# KiCad board EBAZ4205.kicad_pcb (continued)
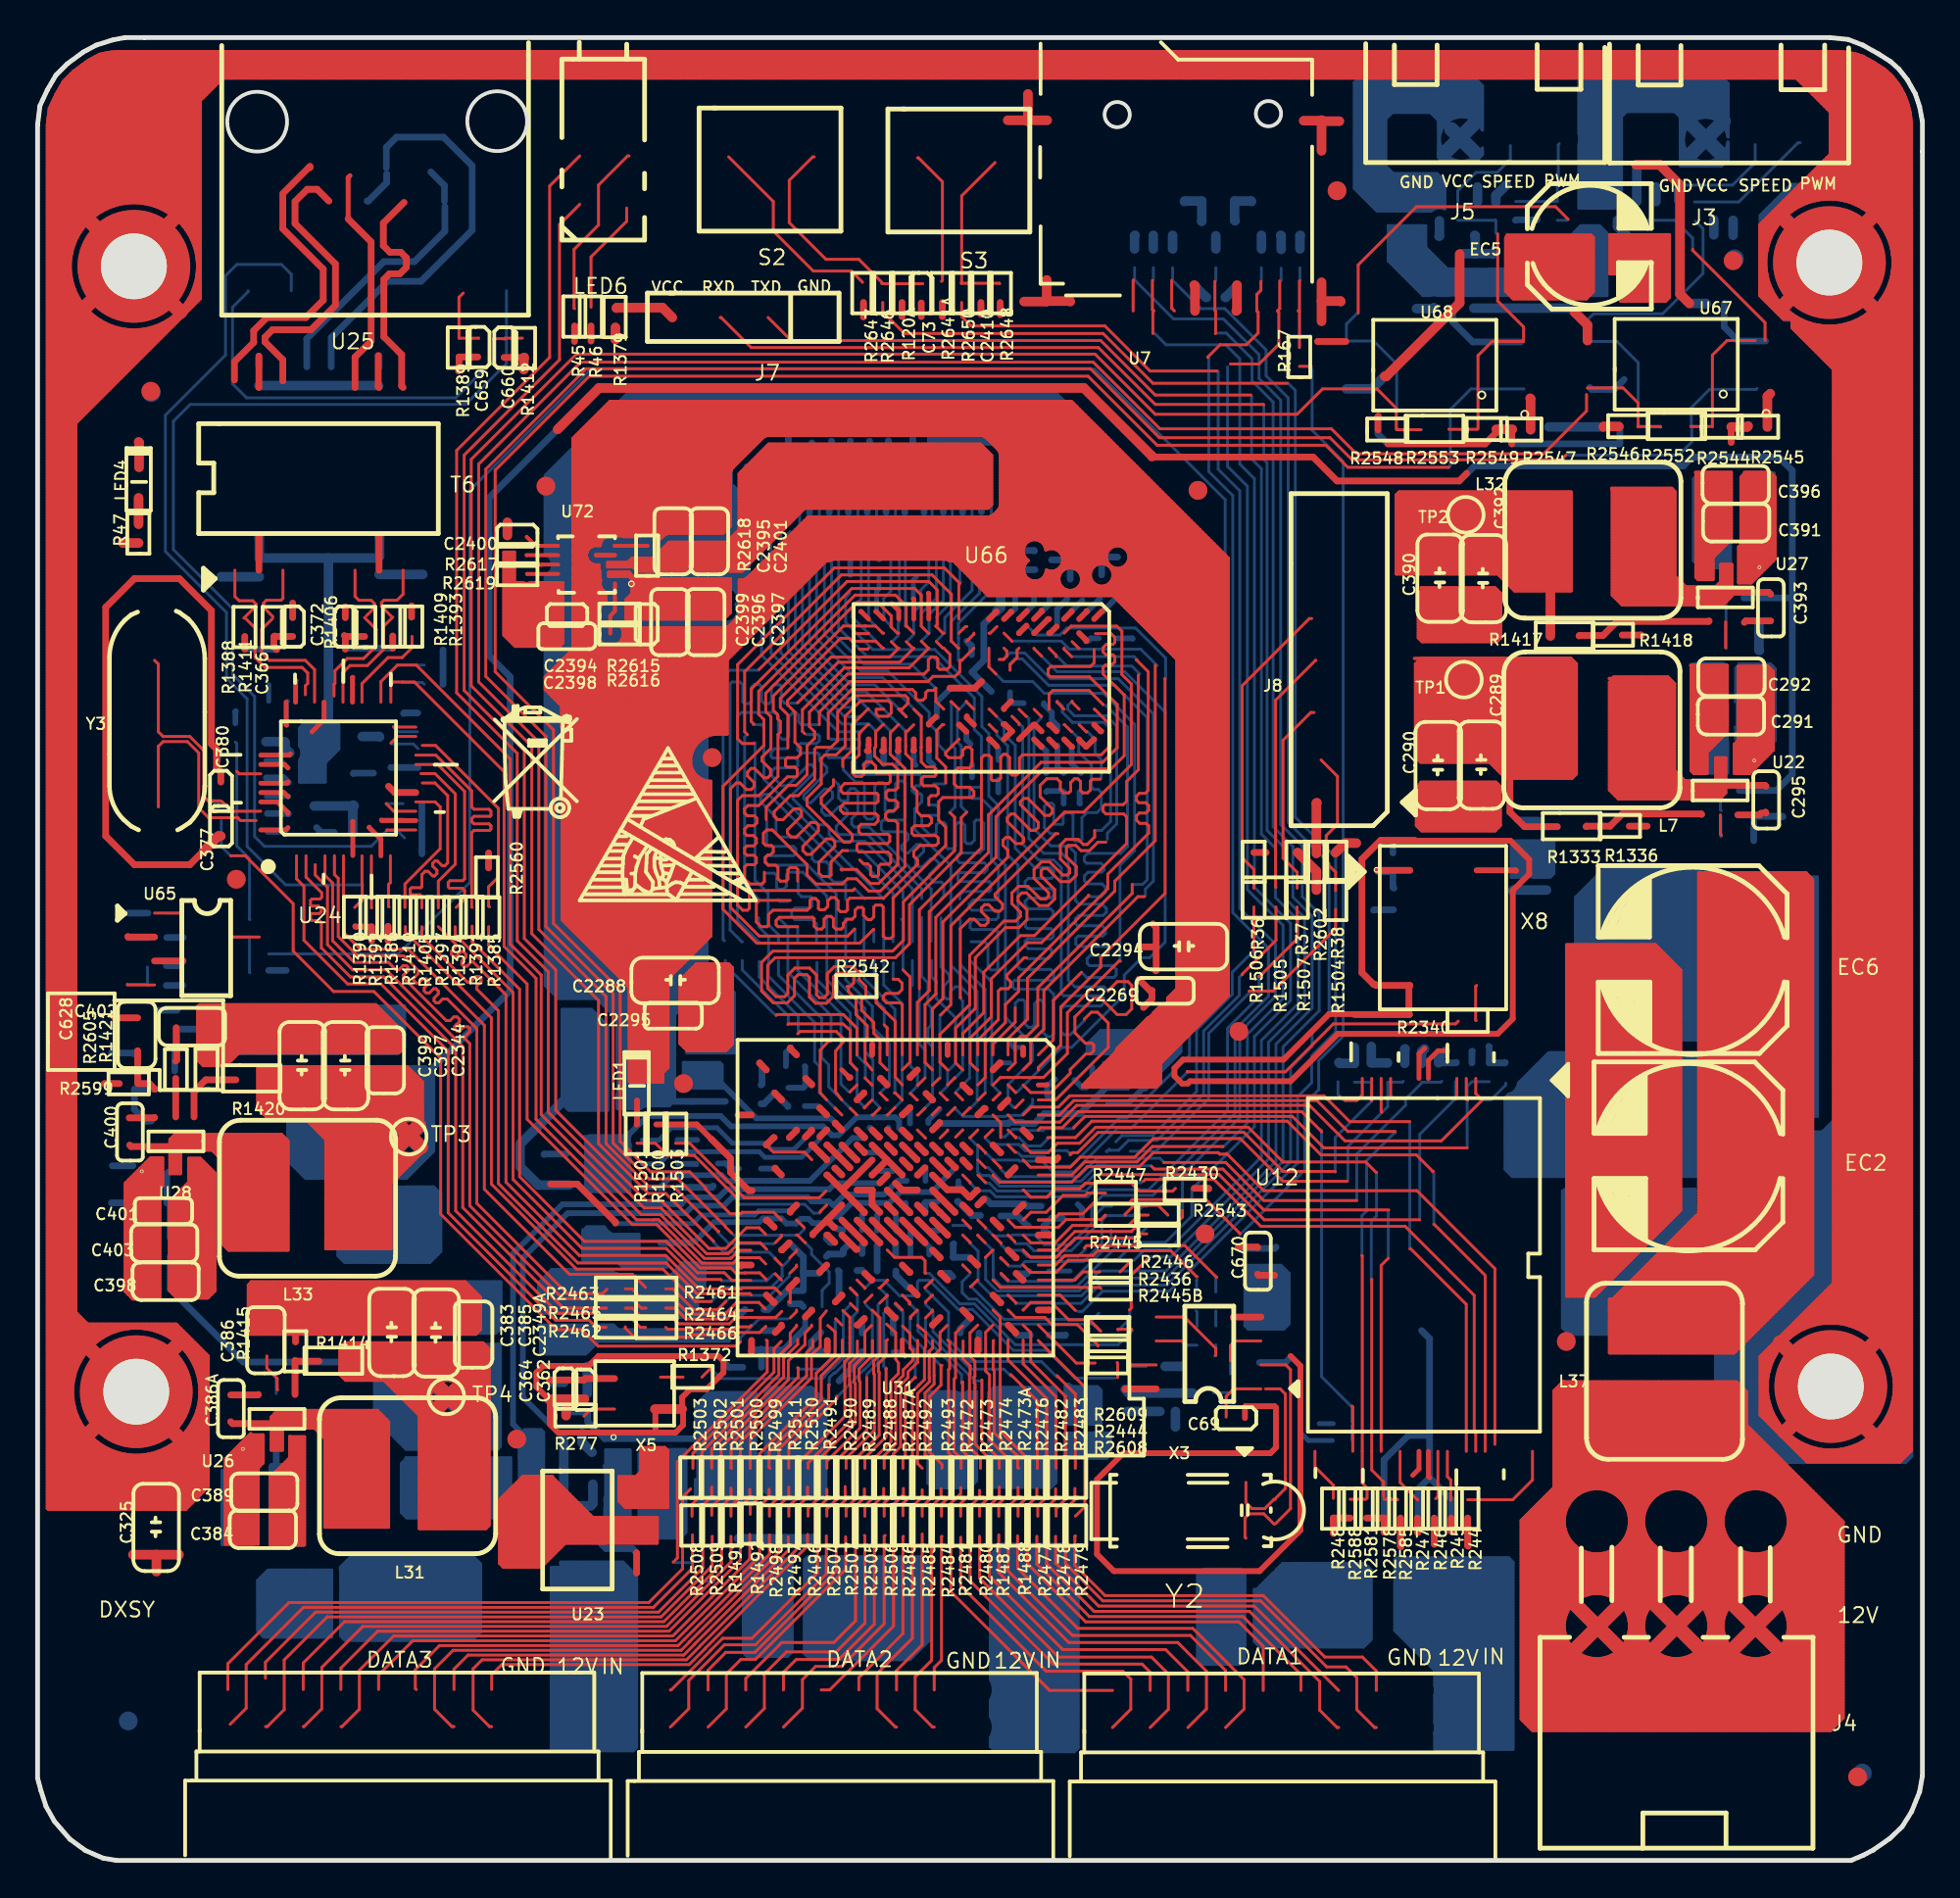
[diagram p0: board, top side]
## Routing (per net, layer and track width the routed paths; a pad name or vN(x,y) marks a point on that pad's centre or on a via; arc(x,y) is an arc through that point) (continued)
  Top w0.178: 31.49,41.57 33.27,41.57 ; 60.63,62.45 63.36,62.45 ; 92.78,19.15 92.78,21.31 ; 82.27,14.07 82.27,16.46 ; 32.89,66.08 32.89,68.21 ; 91.41,19.79 91.41,22.69 ; 81.38,43.86 87.43,43.86 ; 81.38,30.6 83.41,30.6 ; 88.2,19.48 90.42,19.48 ; 26.03,15.62 26.03,20.44 ; 81.38,44.62 87.43,44.62 ; 84.13,67.03 89.87,67.03 ; 90.5,62 92.35,62 ; 16.1,27.25 23.99,27.25 ; 88.4,49.04 94.45,49.04 ; 88.25,73.58 90.13,73.58 ; 57.94,69.77 62.9,69.77 ; 60.63,47.67 63.36,47.67 ; 49.8,75.86 49.8,77.65 ; 28.49,72.82 36.86,72.82 ; 60.63,47.06 63.36,47.06 ; 88.25,73.27 90.13,73.27 ; 9.9,35.33 13.32,35.33 ; 30.39,68.55 31.47,68.55 ; 39.75,70.91 39.75,75.38 ; 53.12,68.09 54.35,68.09 ; 33.04,70.31 33.04,77.65 ; 87.65,10.79 90.98,10.79 ; 86.84,14.18 86.84,16.34 ; 58.41,44.17 61.49,44.17 ; 62.15,44.83 62.15,70.52 ; 74.95,68.48 74.95,72.83 ; 80.7,20.7 93.4,20.7 ; 88.06,56.51 88.06,57.46 ; 88.4,40.97 94.45,40.97 ; 31.64,67.64 36.87,67.64 ; 80.98,25.27 90.6,25.27 ; 14.29,28.02 14.29,30.79 ; 27.89,60.62 36.69,60.62 ; 83.65,27.55 90.81,27.55 ; 88.39,19.32 90.23,19.32 ; 12.77,21.84 12.77,23.92 ; 30.94,20.09 33.52,20.09 ; 78.95,12.16 81.26,12.16 ; 83.65,62.45 87.1,62.45 ; 28.5,69.62 29.22,69.62 ; 88.82,68.18 88.82,73.88 ; 4.67,34.41 6.5,34.41 ; 60.63,61.39 63.36,61.39 ; 88.4,37.92 94.45,37.92 ; 88.67,68.18 88.67,73.88 ; 20.54,17.67 20.54,27.54 ; 83.65,29.69 92.95,29.69 ; 17.5,32.57 17.5,42.24 ; 56.7,42.34 59.76,42.34 ; 82.42,19.7 82.42,25.47 ; 82.57,6.92 82.57,10.78 ; 15.3,20.85 18.67,20.85 ; 34.87,59.1 34.87,65.6 ; 29.53,48.45 29.53,68.99 ; 87.14,14.22 87.14,16.31 ; 81.05,57.61 81.05,63.98 ; 50.9,71.64 51.1,71.84 ; 49.37,68.55 52.48,68.55 ; 19.17,42.99 19.17,44.36 ; 13.23,28.02 13.23,30.79 ; 89.58,56.59 89.58,58.68 ; 57.22,68.55 63.36,68.55 ; 33.5,68.63 33.5,70.04 ; 28.51,68.85 29.86,68.85 ; 25.88,15.62 25.88,20.44 ; 83.82,56.81 89.81,56.81 ; 10,17.04 11.72,17.04 ; 78.95,15.36 96.08,15.36 ; 92.02,14.11 92.02,16.41 ; 10,20.24 11.72,20.24 ; 87.29,56.51 87.29,57.82 ; 16.58,17.74 16.58,23.94 ; 7.05,37.16 7.6,37.16 ; 95.98,7.5 95.98,18.11 ; 60.63,63.06 63.36,63.06 ; 36.24,66.08 36.24,68.21 ; 88.36,56.51 88.36,57.46 ; 91.26,6.92 91.26,10.74 ; 83.8,69.46 87.13,69.46 ; 54.99,67.33 54.99,67.59 ; 88.25,69.62 89.41,69.62 ; 30.94,19.32 33.52,19.32 ; 15.06,38.68 18.93,38.68 ; 43.25,75.86 43.25,77.65 ; 8.52,42.64 10.35,42.64 ; 88.91,18.41 89.72,18.41 ; 12.45,22.68 13.02,22.68 ; 88.4,50.26 94.45,50.26 ; 83.65,29.84 93.1,29.84 ; 60.63,56.51 63.36,56.51 ; 53,67.33 53,68.09 ; 42.03,71.98 42.03,75.38 ; 83.68,86.5 83.68,84.45 84.15,84.45 84.25,84.35 84.25,83 86.63,83 86.83,83.2 86.83,86.53 83.65,86.53 ; 7.02,30.6 9.42,30.6 ; 30.6,68.86 30.6,69.08 ; 27.92,54.22 35.82,54.22 ; 88.4,51.79 94.45,51.79 ; 78.95,9.11 96.08,9.11 ; 73.33,61.54 81.88,61.54 ; 24.82,66.72 27.94,66.72 ; 84.55,6.92 84.55,11.73 ; 37.35,68.09 40.87,68.09 ; 35.78,68.63 35.78,70.16 ; 88.25,70.38 90.13,70.38 ; 4.67,34.72 6.5,34.72 ; 48.28,75.86 48.28,77.65 ; 13.69,23.02 13.69,23.94 ; 31.06,68.86 31.06,69.08 ; 13.99,23.02 13.99,23.94 ; 58,66.57 63.36,66.57 ; 34.72,70.64 34.72,77.65 ; 24.82,66.26 27.94,66.26 ; 84.71,12.31 85.46,12.31 ; 14.45,23.02 14.45,23.94 ; 92.17,28.91 92.17,52.56 ; 10,21 11.83,21 ; 24.59,17.65 32.97,17.65 ; 84.56,30.6 93.86,30.6 ; 29.59,76.78 55.89,76.78 ; 12.31,28.02 12.31,30.79 ; 27.55,63.52 36.69,63.52 ; 83.65,28.93 92.18,28.93 ; 76.93,68.48 76.93,72.83 ; 32.43,70.64 32.43,77.65 ; 88,60.32 89.9,60.32 ; 27.92,57.27 35.82,57.27 ; 27.92,56.97 35.82,56.97 ; 9.9,34.26 13.32,34.26 ; 32.12,21.15 33.52,21.15 ; 39.29,66.51 39.29,69.77 ; 35.02,43.11 35.02,47.67 ; 93.85,30.59 93.85,52.56 ; 91.56,68.39 91.56,73.88 ; 20.32,17.8 23.97,17.8 ; 14.78,22.98 18.67,22.98 ; 28.93,49.06 28.93,76.11 ; 52.7,67.33 52.7,68.22 ; 4.67,30.6 6.5,30.6 ; 27.92,54.07 35.82,54.07 ; 53.61,69.93 53.61,77.65 ; 88.21,57.86 88.21,63.61 ; 28.32,64.28 37.06,64.28 ; 52.85,67.33 52.85,68.13 ; 25.33,19.93 27.85,19.93 ; 15.3,20.39 18.67,20.39 ; 54.53,67.33 54.53,67.76 ; 28.49,73.73 36.86,73.73 ; 28.49,68.14 28.49,68.31 ; 83.8,69.31 87.13,69.31 ; 55.94,41.57 59.76,41.57 ; 43.71,69.27 43.71,71.5 ; 49.06,68.85 52.49,68.85 ; 92.02,28.76 92.02,52.56 ; 27.86,64.72 27.86,68.01 ; 39.14,70.3 39.14,75.38 ; 83.03,19.79 83.03,25.47 ; 22.07,17.67 22.07,23.83 ; 76.17,58.46 76.17,63.98 ; 94,6.92 94,20.09 ; 7.02,33.95 9.42,33.95 ; 88.25,73.12 90.13,73.12 ; 12.92,28.02 12.92,30.79 ; 83.65,60.93 87.1,60.93 ; 83.65,62.61 87.1,62.61 ; 15.35,36.24 19,36.24 ; 83.8,71.14 87.13,71.14 ; 72.31,70.99 81.6,70.99 ; 44.17,69.27 44.17,71.5 ; 22.37,28.02 22.37,30.79 ; 85.01,27.02 85.01,31.05 ; 75.56,68.48 75.56,72.83 ; 37,64.22 37,65.89 ; 27.92,55.44 35.82,55.44 ; 90.5,62.3 92.35,62.3 ; 37.76,74.91 37.76,77.65 ; 60.63,55.44 63.36,55.44 ; 42.95,71.98 42.95,75.38 ; 29.23,16.89 29.23,18.56 ; 73.33,59.41 81.88,59.41 ; 81.38,36.55 87.43,36.55 ; 90.04,6.92 90.04,11.42 ; 81.38,38.37 87.43,38.37 ; 7.02,32.58 9.42,32.58 ; 54.07,67.33 54.07,68.63 ; 93.09,18.58 93.09,21.01 ; 87.84,16.43 90.78,16.43 ; 55.53,68.4 56.02,68.4 ; 38.68,69.85 38.68,75.14 ; 60.63,52.55 63.36,52.55 ; 74.65,58.46 74.65,63.98 ; 37.88,74.34 50.76,74.34 ; 52.7,70.2 52.7,77.65 ; 60.63,56.97 63.36,56.97 ; 51.12,75.1 57.56,75.1 ; 33.04,18.79 33.04,21.97 ; 8.81,37.81 8.81,38.64 ; 37.35,66.42 39.2,66.42 ; 73.43,55.04 73.43,57.13 ; 29.74,76.93 55.73,76.93 ; 88.87,18.56 89.76,18.56 ; 88,61.23 89.9,61.23 ; 60.63,48.43 63.36,48.43 ; 4.85,30.12 4.85,36.21 ; 19.39,39.29 14.45,39.29 14.45,42.24 ; 87.9,56.51 87.9,57.46 ; 81.38,32.74 85.55,32.74 ; 83.68,85.47 86.83,85.47 ; 47.21,71.98 47.21,75.38 ; 83.98,67.18 90.02,67.18 ; 12.4,17.95 14.2,17.95 ; 84.7,66.83 84.7,73.03 ; 9.9,37.16 13.32,37.16 ; 74.8,54.81 74.8,57.38 ; 25.72,15.62 25.72,20.33 ; 32.58,66.08 32.58,68.21 ; 88.82,18.7 88.82,25.47 ; 88.4,45.38 94.45,45.38 ; 30.94,20.39 33.52,20.39 ; 59.07,65.5 63.36,65.5 ; 39.14,66.35 39.14,69.62 ; 78.95,10.03 96.08,10.03 ; 83.65,62.3 87.1,62.3 ; 36.7,68.63 36.7,70.19 ; 85.01,83 85.01,86.53 ; 88.25,73.43 90.13,73.43 ; 78.95,14.45 96.08,14.45 ; 37.34,73.27 50.76,73.27 ; 81.38,47.82 86.99,47.82 ; 54.56,69.16 56.9,69.16 ; 81.38,38.83 87.43,38.83 ; 87.14,66.83 87.14,68.34 ; 92.66,11.25 96.08,11.25 ; 19.02,42.99 19.02,44.51 ; 35.02,59.37 35.02,65.6 ; 25.64,20.24 27.55,20.24 ; 86.38,19.59 86.38,25.47 ; 88.4,47.21 94.45,47.21 ; 83.8,68.55 87.13,68.55 ; 86.23,66.83 86.23,73.03 ; 87.29,6.92 87.29,10.73 ; 85.16,27.02 85.16,31.2 ; 87.94,19.63 90.69,19.63 ; 93.39,30.13 93.39,52.56 ; 83.65,27.25 90.51,27.25 ; 55.79,41.42 59.76,41.42 ; 9.9,33.95 13.32,33.95 ; 94,30.74 94,52.56 ; 90.49,13.95 90.49,16.58 ; 60.63,51.79 63.36,51.79 ; 84.25,84.09 86.83,84.09 ; 38.07,75.22 38.07,77.65 ; 35.63,68.63 35.63,70.16 ; 83.65,59.25 87.1,59.25 ; 87.45,6.92 87.45,10.75 ; 80.7,22.98 91.11,22.98 ; 43.56,75.86 43.56,77.65 ; 83.8,68.85 87.13,68.85 ; 31.36,66.08 31.36,67.15 ; 9.65,37.46 13.32,37.46 ; 9.93,32.74 13.32,32.74 ; 7.02,33.04 9.42,33.04 ; 45.08,69.27 45.08,71.5 ; 60.13,64.43 63.36,64.43 ; 35.33,59.67 35.33,65.6 ; 88.65,19.02 89.98,19.02 ; 34.41,66.08 34.41,68.21 ; 34.26,46.91 36.97,46.91 ; 10,17.34 11.72,17.34 ; 57.75,69.92 62.74,69.92 ; 60.63,59.56 63.36,59.56 ; 7.05,38.22 13.32,38.22 ; 83.8,70.23 87.13,70.23 ; 60.63,47.98 63.36,47.98 ; 14.29,39.44 14.29,42.24 ; 7.02,32.28 9.42,32.28 ; 82.11,83.13 82.11,86.5 ; 57.17,68.7 63.36,68.7 ; 18.87,42.99 18.87,44.67 ; 28.83,76.02 56.65,76.02 ; 75.86,68.48 75.86,72.83 ; 40.51,67.73 40.51,70.99 ; 48.91,69.01 52.55,69.01 ; 33.5,66.08 33.5,68.21 ; 34.11,66.08 34.11,68.21 ; 86.23,6.92 86.23,11.03 ; 85.62,66.83 85.62,73.03 ; 81.66,19.19 81.66,25.47 ; 11.09,32.49 11.09,38.64 ; 9.9,34.41 13.32,34.41 ; 85.77,19.05 85.77,25.47 ; 87.9,27.02 87.9,33.94 ; 86.84,66.83 86.84,73.03 ; 25.42,15.62 25.42,20.02 ; 81.38,34.87 87.43,34.87 ; 28.49,74.8 37.65,74.8 ; 8.81,29.94 8.81,37.2 ; 83.83,67.33 90.15,67.33 ; 88.81,18.71 89.81,18.71 ; 85.77,27.02 85.77,31.81 ; 15.35,35.33 18.79,35.33 ; 58.05,69.16 63.36,69.16 ; 81.38,48.59 86.23,48.59 ; 94.15,30.89 94.15,52.51 ; 88.4,40.36 94.45,40.36 ; 17.65,42.99 17.65,45.54 ; 93.04,18.71 95.38,18.71 ; 31.49,69.16 37.99,69.16 ; 83.79,84.45 83.79,86.53 ; 27.02,62.61 36.69,62.61 ; 11.75,42.18 19.72,42.18 ; 88.4,34.72 94.45,34.72 ; 83.79,27.02 83.79,29.87 ; 22.67,24.51 24.02,24.51 ; 40.51,75.86 40.51,77.65 ; 85.16,56.51 85.16,62.98 ; 90.5,61.54 92.35,61.54 ; 22.52,25.19 22.52,27.54 ; 11.09,16.84 11.09,22.47 ; 31.14,65.5 38.28,65.5 ; 88,58.49 88.83,58.49 ; 25.27,64.78 25.27,69.63 ; 85.31,6.92 85.31,25.47 ; 57.95,43.71 61.03,43.71 ; 11.25,32.49 11.25,38.64 ; 34.19,45.08 36.97,45.08 ; 11.34,30.75 22.78,30.75 ; 60.63,47.37 63.36,47.37 ; 77.55,58.19 81.88,58.19 ; 24.82,68.85 25.37,68.85 ; 17.19,32.57 17.19,42.24 ; 88.4,48.28 94.45,48.28 ; 60.63,56.81 63.36,56.81 ; 91.26,28 91.26,52.56 ; 82.11,13.99 82.11,16.53 ; 11.7,16.84 11.7,22.64 ; 11.22,28.93 23.57,28.93 ; 79.37,67.58 79.37,72.83 ; 81.38,48.43 86.38,48.43 ; 17.19,28.02 17.19,30.79 ; 24.59,17.19 32.97,17.19 ; 20.32,21.92 24.02,21.92 ; 38.18,74.65 50.76,74.65 ; 40.2,67.42 40.2,70.69 ; 11.72,42.03 19.88,42.03 ; 91.87,19.74 91.87,22.23 ; 31.36,18.79 31.36,20.42 ; 90.8,57.86 90.8,63.56 ; 80.7,21 93.09,21 ; 81.81,83.13 81.81,86.5 ; 34.87,43.11 34.87,47.52 ; 83.8,72.21 87.13,72.21 ; 78.15,68.04 78.15,72.83 ; 72.31,70.07 81.6,70.07 ; 60.63,56.36 63.36,56.36 ; 38.68,75.8 38.68,77.65 ; 90.5,63.06 92.35,63.06 ; 80.7,23.59 90.93,23.59 ; 83.8,71.9 87.13,71.9 ; 54.99,68.81 54.99,77.65 ; 57.73,66.84 57.73,68.82 ; 58.8,41.17 58.8,44.55 ; 10,18.87 11.72,18.87 ; 81.38,32.58 85.39,32.58 ; 11.22,29.84 23.57,29.84 ; 88.4,37.31 94.45,37.31 ; 88.83,11.86 89.79,11.86 ; 7.89,29.94 7.89,35.94 9.42,35.94 ; 43.25,69.27 43.25,71.5 ; 34.19,44.78 36.97,44.78 ; 73.65,67.64 77.65,67.64 ; 24.75,15.67 26.84,15.67 ; 60.63,48.89 63.36,48.89 ; 9.9,36.39 13.32,36.39 ; 27.92,58.64 34.75,58.64 ; 84.55,31.74 84.55,48.74 ; 88.4,49.65 94.45,49.65 ; 34.26,66.08 34.26,68.21 ; 85.62,32.81 85.62,48.74 ; 85.62,56.51 85.62,62.98 ; 90.5,60.02 92.35,60.02 ; 19.48,36.72 19.48,37.67 ; 75.56,58.46 75.56,63.98 ; 83.94,6.92 83.94,11.02 ; 76.32,54.81 76.32,57.38 ; 11.72,40.2 20.47,40.2 ; 87.6,14.17 87.6,16.35 ; 20.32,18.41 24.02,18.41 ; 88.4,42.18 94.45,42.18 ; 5.03,36.39 6.65,36.39 ; 15.21,42.24 15.21,38.53 18.91,38.53 ; 48.74,69.18 50.59,67.33 57.24,67.33 60.63,63.93 60.63,46.39 60.14,45.9 60.14,45.56 59.81,45.56 ; 48.74,69.18 48.52,69.18 ; 48.74,69.18 48.74,71.5 ; 90.65,73.43 92.45,73.43 ; 83.8,70.53 87.13,70.53 ; 51.24,73.43 59.24,73.43 ; 15.35,34.11 18.79,34.11 ; 88.82,27.02 88.82,52.56 ; 90.88,73.83 90.65,73.61 90.65,70.03 90.53,69.91 90.53,68.01 91.18,68.01 92.45,69.28 92.45,73.63 92.2,73.88 90.83,73.88 ; 28.49,66.26 29.78,66.26 ; 88.4,48.89 94.45,48.89 ; 88.4,41.88 94.45,41.88 ; 83.33,6.92 83.33,10.77 ; 49.83,68.09 53.03,68.09 ; 13.42,21.92 14.2,21.92 ; 78.95,7.59 96.07,7.59 ; 47.52,75.86 47.52,77.65 ; 89.12,59.28 89.12,63.61 ; 88.4,43.1 94.45,43.1 ; 73.57,58.49 81.88,58.49 ; 57.5,43.25 60.57,43.25 ; 49.35,71.98 49.35,75.38 ; 81.38,41.73 87.43,41.73 ; 23.29,28.02 23.29,30.25 ; 73.33,61.23 81.88,61.23 ; 47.37,69.27 47.37,71.5 ; 38.64,75.1 50.44,75.1 ; 10.33,16.84 10.33,21.7 ; 27.92,51.94 35.82,51.94 ; 31.49,44.01 33.54,44.01 ; 27.92,53.77 35.82,53.77 ; 49.67,68.24 52.67,68.24 ; 88.4,45.08 94.45,45.08 ; 62.76,45.44 62.76,69.91 ; 8.52,44.47 19.06,44.47 ; 24.59,17.8 32.97,17.8 ; 59.98,64.59 63.36,64.59 ; 83.64,62.91 86.83,62.91 ; 89.43,69.63 89.43,73.88 ; 61.39,44.07 61.39,71.28 ; 88.36,57.86 88.36,63.61 ; 59.25,65.31 59.25,73.41 ; 20.32,22.68 24.02,22.68 ; 31.49,46.15 33.54,46.15 ; 39.29,75.86 39.29,77.65 ; 89.3,58.49 89.83,58.49 ; 79.37,57.61 79.37,63.98 ; 88,60.02 89.86,60.02 ; 90.34,13.84 90.34,16.68 ; 17.04,32.57 17.04,42.24 ; 77.85,65.07 77.85,67.44 ; 60.63,57.42 63.36,57.42 ; 28.49,69.77 29.29,69.77 ; 88.4,49.5 94.45,49.5 ; 31.82,66.08 31.82,68.21 ; 59.24,44.93 62.25,44.93 ; 25.42,64.63 25.42,68.01 ; 83.7,62.76 86.98,62.76 ; 81.81,13.77 81.81,16.75 ; 11.22,29.23 23.57,29.23 ; 83.65,27.71 90.97,27.71 ; 24.59,16.58 27.75,16.58 ; 89.73,18.47 89.73,25.47 ; 20.24,37.48 20.24,37.72 ; 88.67,6.92 88.67,11.53 ; 31.21,16.89 31.21,18.24 ; 24.82,66.57 27.94,66.57 ; 90.49,6.92 90.49,11 ; 41.88,69.1 41.88,71.5 ; 15.3,18.41 18.67,18.41 ; 79.04,7.44 95.91,7.44 ; 38.53,69.69 38.53,74.99 ; 21.31,25.42 21.31,27.54 ; 11.09,42.99 11.09,45.54 ; 16.1,26.64 24.02,26.64 ; 48.74,71.98 48.74,75.38 ; 83.8,68.7 87.13,68.7 ; 73.48,66.11 77.85,66.11 ; 84.06,13.84 86.11,13.84 ; 20.21,39.29 20.47,39.29 ; 12.6,23.74 18.27,23.74 ; 4.67,31.82 6.5,31.82 ; 90.5,60.93 92.35,60.93 ; 20.32,23.29 24.02,23.29 ; 31.54,67.33 36.87,67.33 ; 26.33,64.63 26.33,68.01 ; 77.69,54.95 77.69,57.3 ; 73.88,68.48 73.88,72.83 ; 15.35,35.78 18.79,35.78 ; 23.44,28.14 23.44,30.1 ; 30.45,16.89 30.45,18.24 ; 60.63,55.6 63.36,55.6 ; 90.65,72.51 92.45,72.51 ; 83.65,28.01 91.27,28.01 ; 11.55,28.02 11.55,30.79 ; 81.38,42.64 87.43,42.64 ; 24.59,15.82 26.99,15.82 ; 88.25,69.31 89.15,69.31 ; 9.72,42.31 9.72,45.54 ; 13.53,16.79 13.53,22.54 ; 7.28,36.56 7.28,38.6 ; 88,62.91 89.9,62.91 ; 76.17,64.88 76.17,67.73 ; 78.95,12.47 81.23,12.47 ; 34.72,47.37 36.97,47.37 ; 7.74,29.94 7.74,35.78 9.42,35.78 ; 45.84,69.27 45.84,71.5 ; 89.28,59.43 89.28,63.61 ; 28.01,16.84 28.01,19.78 ; 30.14,70.41 30.14,77.33 ; 81.38,46.15 87.43,46.15 ; 95.07,6.92 95.07,19.03 ; 11.22,29.99 23.54,29.99 ; 11.22,28.32 23.57,28.32 ; 4.67,32.43 6.5,32.43 ; 88.51,56.51 88.51,57.46 ; 73.33,59.56 81.88,59.56 ; 78.13,85.47 82.78,85.47 ; 9.9,35.94 13.32,35.94 ; 11.4,32.49 11.4,38.64 ; 75.41,68.48 75.41,72.83 ; 90.5,61.23 92.35,61.23 ; 31.67,70.47 31.67,77.65 ; 84.4,17.04 85.78,17.04 ; 45.84,71.98 45.84,75.38 ; 73.43,58.64 73.43,63.78 ; 87.14,56.51 87.14,57.97 ; 28.49,65.2 29.79,65.2 ; 12.47,16.79 12.47,20.46 ; 81.38,32.89 85.7,32.89 ; 32.13,68.63 32.13,69.31 ; 72.31,72.36 81.6,72.36 ; 11.55,32.49 11.55,38.64 ; 87.45,27.02 87.45,33.49 ; 80.7,21.76 92.33,21.76 ; 84.4,56.51 84.4,62.98 ; 88.97,59.13 88.97,63.61 ; 91.41,58.17 91.41,63.56 ; 81.38,37.61 87.43,37.61 ; 40.36,75.86 40.36,77.65 ; 34.56,68.63 34.56,70.16 ; 55.56,68.24 56.04,68.24 ; 34.17,46.81 35.07,47.71 36.77,47.71 36.97,47.51 36.97,43.46 36.62,43.11 34.57,43.11 34.19,43.49 34.19,46.81 ; 28.52,69.92 29.46,69.92 ; 90.65,57.86 90.65,63.56 ; 89.28,6.92 89.28,25.47 ; 8.96,37.81 8.96,38.64 ; 29.91,68.36 29.91,68.56 ; 52.39,67.33 52.39,77.65 ; 72.36,68.48 72.36,72.73 ; 60.63,61.69 63.36,61.69 ; 18.56,32.57 18.56,42.24 ; 81.5,6.92 81.5,11.54 ; 78.95,12.31 81.24,12.31 ; 81.38,41.42 87.43,41.42 ; 89.3,58.19 89.83,58.19 ; 12.77,42.99 12.77,45.54 ; 78.33,83.33 82.61,83.33 ; 25.31,64.74 27.87,64.74 ; 76.02,64.88 76.02,67.73 ; 57.41,43.1 60.42,43.1 ; 88.4,41.42 94.45,41.42 ; 27.92,58.8 34.77,58.8 ; 15.35,33.95 18.79,33.95 ; 88.25,68.7 89.15,68.7 ; 48.43,71.98 48.43,75.38 ; 73.33,62 81.88,62 ; 4.67,31.21 6.5,31.21 ; 12.4,18.71 14.2,18.71 ; 33.38,69.92 38.75,69.92 ; 80.7,23.29 90.93,23.29 ; 36.39,70.64 36.39,77.65 ; 17.34,42.99 17.34,45.54 ; 57.12,41.17 57.12,42.75 ; 85.77,6.92 85.77,11.48 ; 74.49,58.46 74.49,63.98 ; 30.62,47.37 33.97,47.37 ; 28.93,16.89 28.93,18.86 ; 13.08,23.02 13.08,23.94 ; 81.38,45.08 87.43,45.08 ; 57.27,41.17 57.27,42.91 ; 17.95,25.57 17.95,27.54 ; 88.4,44.47 94.45,44.47 ; 78.95,16.89 81.68,16.89 ; 91.26,14.21 91.26,16.31 ; 8.65,42.49 10.2,42.49 ; 10.79,32.49 10.79,38.64 ; 15.35,37 19.76,37 ; 78.95,12.62 81.24,12.62 ; 90.53,69.77 92.45,69.77 ; 41.57,68.79 41.57,71.5 ; 39.9,67.12 39.9,70.38 ; 6.37,29.89 6.37,37.39 ; 78.13,85.16 82.78,85.16 ; 35.33,43.11 35.33,47.71 ; 33.19,41.44 33.19,65.6 ; 90.3,58.95 92.19,58.95 ; 91.71,28.45 91.71,52.56 ; 60.63,59.71 63.36,59.71 ; 22.68,24.81 24.02,24.81 ; 78.95,14.3 96.08,14.3 ; 53.61,67.33 53.61,68.42 ; 60.63,60.93 63.36,60.93 ; 60.63,50.41 63.36,50.41 ; 35.02,66.08 35.02,68.21 ; 16.1,26.94 24.02,26.94 ; 31.82,68.73 31.82,69.31 ; 83.03,6.92 83.03,10.73 ; 88,63.22 89.9,63.22 ; 4.67,34.56 6.5,34.56 ; 18.41,25.57 18.41,27.54 ; 20.39,28.02 20.39,30.79 ; 90.65,70.07 92.45,70.07 ; 88,63.52 89.9,63.52 ; 58.34,66.23 58.34,74.33 ; 35.17,43.11 35.17,47.71 ; 78.95,16.58 82.04,16.58 ; 90.5,63.56 90.5,59.61 90.3,59.41 90.3,57.86 91.1,57.86 92.35,59.11 92.35,63.28 92.08,63.56 90.58,63.56 ; 51.24,74.8 57.87,74.8 ; 79.27,18.41 81.27,18.41 ; 83.79,6.92 83.79,10.93 ; 31.32,67.03 36.87,67.03 ; 24.59,17.04 32.97,17.04 ; 92.16,19.63 94.47,19.63 ; 88.36,13.78 88.36,16.75 ; 85.62,13.21 85.62,17.32 ; 83.94,13.93 83.94,16.6 ; 12.4,20.09 14.2,20.09 ; 72.31,71.29 81.6,71.29 ; 19.63,24.38 19.63,27.54 ; 18.56,42.99 18.56,44.97 ; 87.75,14.13 87.75,16.4 ; 30.91,70.52 30.91,77.65 ; 88.36,6.92 88.36,11.17 ; 16.73,25.57 16.73,27.54 ; 49.8,71.98 49.8,75.38 ; 88.4,41.57 94.45,41.57 ; 27.92,55.9 35.82,55.9 ; 53.46,67.33 53.46,68.23 ; 88,62.61 89.9,62.61 ; 78.95,11.7 81.41,11.7 ; 28.49,74.49 37.35,74.49 ; 81.2,57.61 81.2,63.98 ; 84.09,27.02 84.09,30.13 ; 78.17,83.48 82.76,83.48 ; 7.02,34.56 9.42,34.56 ; 33.95,68.63 33.95,70.16 ; 19.17,39.13 19.17,42.24 ; 86.08,19.38 86.08,25.47 ; 88.25,72.36 90.13,72.36 ; 19.48,28.02 19.48,30.79 ; 89.89,67.04 89.89,68.98 ; 93,13.23 96.08,13.23 ; 15.3,21.31 18.67,21.31 ; 77.24,68.48 77.24,72.83 ; 11.86,32.49 11.86,38.64 ; 88.51,68.18 88.51,73.88 ; 14.75,38.98 19.05,38.98 ; 88.03,10.94 90.59,10.94 ; 84.7,6.92 84.7,12.25 ; 90.78,73.73 92.35,73.73 ; 27.92,52.24 35.82,52.24 ; 35.78,59.9 35.78,65.6 ; 15.82,17.74 15.82,23.94 ; 10,19.63 11.72,19.63 ; 7.59,29.94 7.59,35.63 ; 92.63,6.92 92.63,11.21 ; 9.42,30.31 9.42,36.59 ; 87.31,33.35 94.45,33.35 ; 4.67,34.87 6.5,34.87 ; 31.49,45.84 33.54,45.84 ; 12.77,28.02 12.77,30.79 ; 88.4,42.03 94.45,42.03 ; 18.1,32.57 18.1,42.24 ; 83.18,19.78 86.99,19.78 ; 49.96,71.98 49.96,75.38 ; 55.29,68.71 55.29,77.37 ; 20.47,39.09 20.47,41.44 19.67,42.24 11.82,42.24 11.72,42.16 11.72,40.04 12.27,39.49 14.25,39.49 15.35,38.39 15.35,32.57 18.79,32.57 18.79,36.04 20.47,37.71 20.47,37.91 ; 80.28,83.13 80.28,86.5 ; 60.63,52.24 63.36,52.24 ; 22.43,24.05 24.02,24.05 ; 80.7,23.44 90.93,23.44 ; 43.56,69.27 43.56,71.5 ; 50.11,71.98 50.11,75.38 ; 28.34,49.65 35.82,49.65 ; 28.32,16.89 28.32,19.47 ; 78.95,10.64 96.08,10.64 ; 38.03,74.49 50.76,74.49 ; 37,74.15 37,77.65 ; 78.91,67.58 78.91,72.83 ; 83.68,85.16 86.83,85.16 ; 83.65,59.41 87.1,59.41 ; 84.55,18.8 84.55,25.47 ; 78.61,57.61 78.61,63.98 ; 88.4,50.87 94.45,50.87 ; 15.35,33.5 18.79,33.5 ; 85.62,6.92 85.62,11.74 ; 83.8,72.05 87.13,72.05 ; 5.94,37.31 6.65,37.31 ; 60.63,49.5 63.36,49.5 ; 29.53,69.96 29.53,76.72 ; 38.98,69.46 52.49,69.46 ; 57.06,68.85 57.16,68.85 ; 11.22,29.69 23.57,29.69 ; 32.74,68.63 32.74,69.31 ; 88.57,11.4 90.05,11.4 ; 81.96,83.13 81.96,86.5 ; 8.52,43.4 19.42,43.4 ; 28.49,64.89 29.91,64.89 ; 53.31,67.33 53.31,68.14 ; 83.33,30.52 83.33,48.74 ; 87.75,19.7 87.75,25.47 ; 73.48,66.57 77.85,66.57 ; 90.04,27.02 90.04,52.56 ; 24.82,69.31 25.37,69.31 ; 35.94,68.63 35.94,70.16 ; 36.09,70.64 36.09,77.65 ; 40.66,71.83 40.66,75.38 ; 90.3,59.1 92.34,59.1 ; 16.89,17.74 16.89,23.94 ; 73.58,68.48 73.58,72.83 ; 12.62,28.02 12.62,30.79 ; 15.35,36.85 19.61,36.85 ; 27.89,61.23 36.69,61.23 ; 18.87,25.15 18.87,27.54 ; 83.85,62.98 86.75,62.98 87.1,62.63 87.1,58.01 87.65,57.46 89.3,57.46 89.3,58.68 89.83,58.68 89.83,56.83 89.5,56.51 84.13,56.51 83.65,56.98 83.65,62.71 83.85,62.91 ; 86.84,19.76 86.84,25.47 ; 16.43,42.99 16.43,45.54 ; 16.73,42.99 16.73,45.54 ; 81.38,33.8 86.61,33.8 ; 20.32,20.54 24.02,20.54 ; 37.92,65.13 37.92,68.4 ; 79.83,57.61 79.83,63.98 ; 80.89,67.58 80.89,72.83 ; 39.59,75.86 39.59,77.65 ; 8.52,42.95 10.65,42.95 ; 57.16,42.79 60.11,42.79 ; 88.4,35.02 94.45,35.02 ; 12.4,18.56 14.2,18.56 ; 33.19,70.42 33.19,77.65 ; 33.19,18.79 33.19,21.97 ; 85.47,18.23 85.47,25.47 ; 51.18,67.33 51.18,71.93 ; 16.12,32.57 16.12,42.24 ; 27.86,61.49 27.86,63.82 36.69,63.83 ; 22.68,17.67 22.68,24.52 ; 92.02,19.69 92.02,22.08 ; 28.51,68.4 29.91,68.4 ; 78.61,67.58 78.61,72.83 ; 57.69,66.87 63.36,66.87 ; 57.58,41.17 57.58,43.33 ; 83.68,86.08 86.83,86.08 ; 37.34,70.84 39.67,70.84 ; 60.63,63.67 63.36,63.67 ; 84.27,16.89 85.9,16.89 ; 20.09,37.33 20.09,37.66 ; 78.46,57.61 78.46,63.98 ; 85.31,56.51 85.31,62.98 ; 78.15,86.38 82.78,86.38 ; 83.65,57.58 87.54,57.58 ; 15.3,18.71 18.67,18.71 ; 25.27,15.62 25.27,19.87 ; 75.41,58.46 75.41,63.98 ; 88.4,50.57